# KiCad board d-lev-io.kicad_pcb
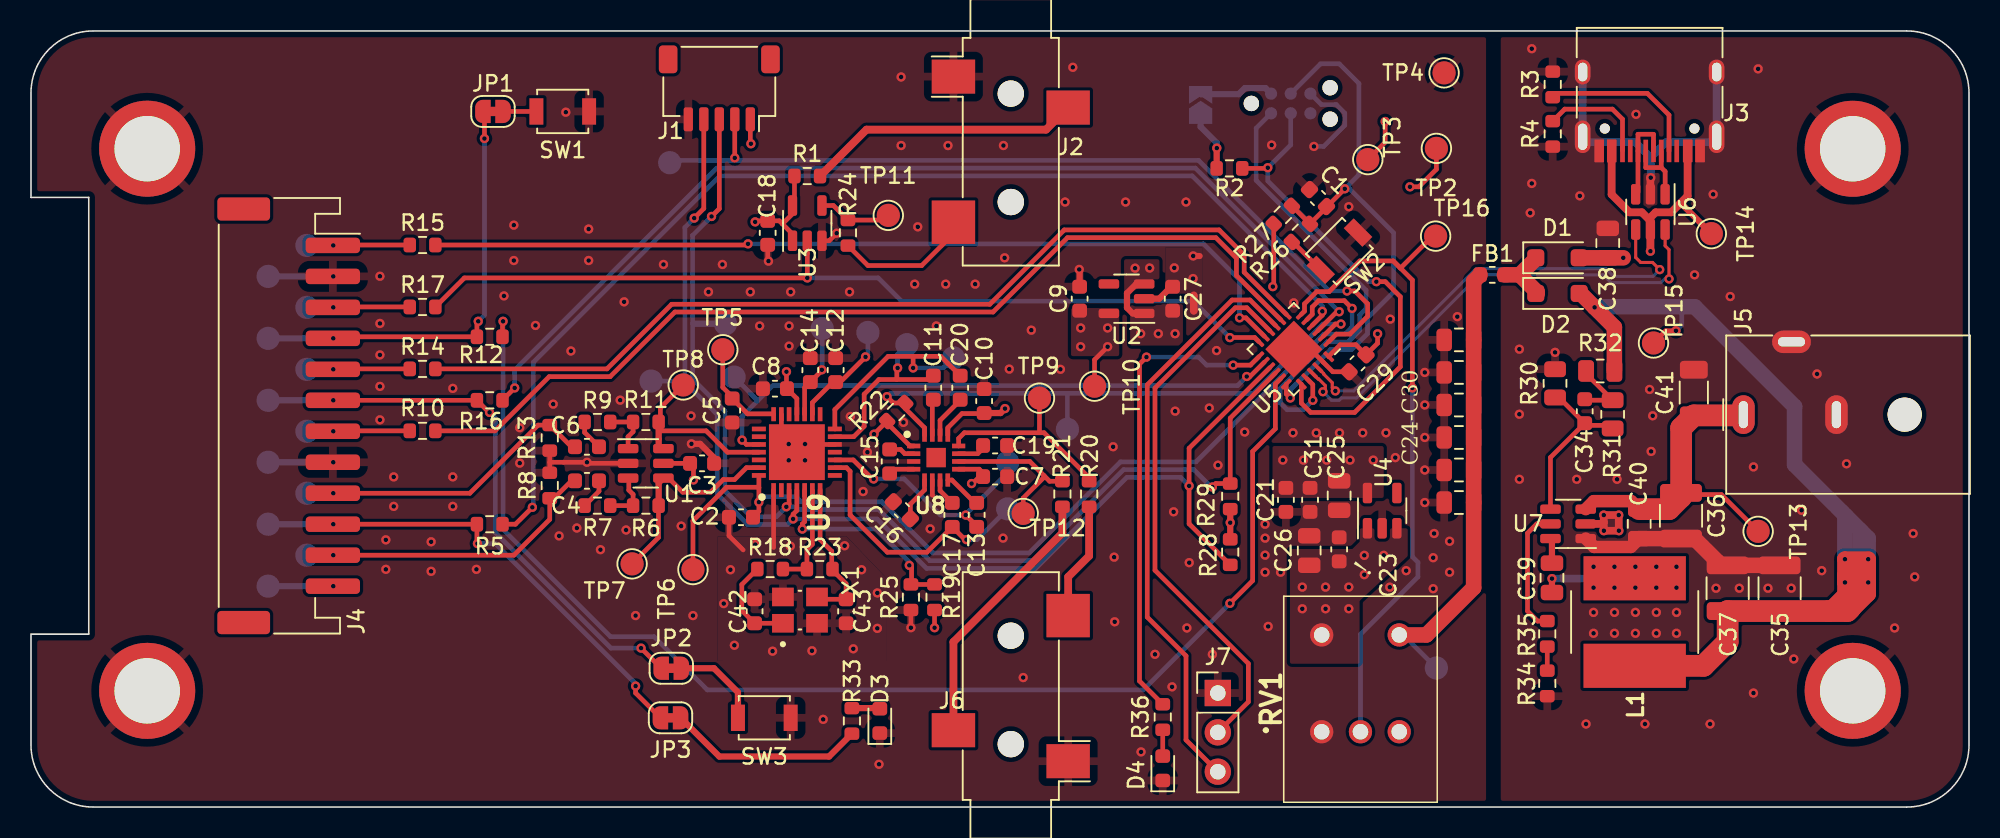
[diagram p0: board, top side]
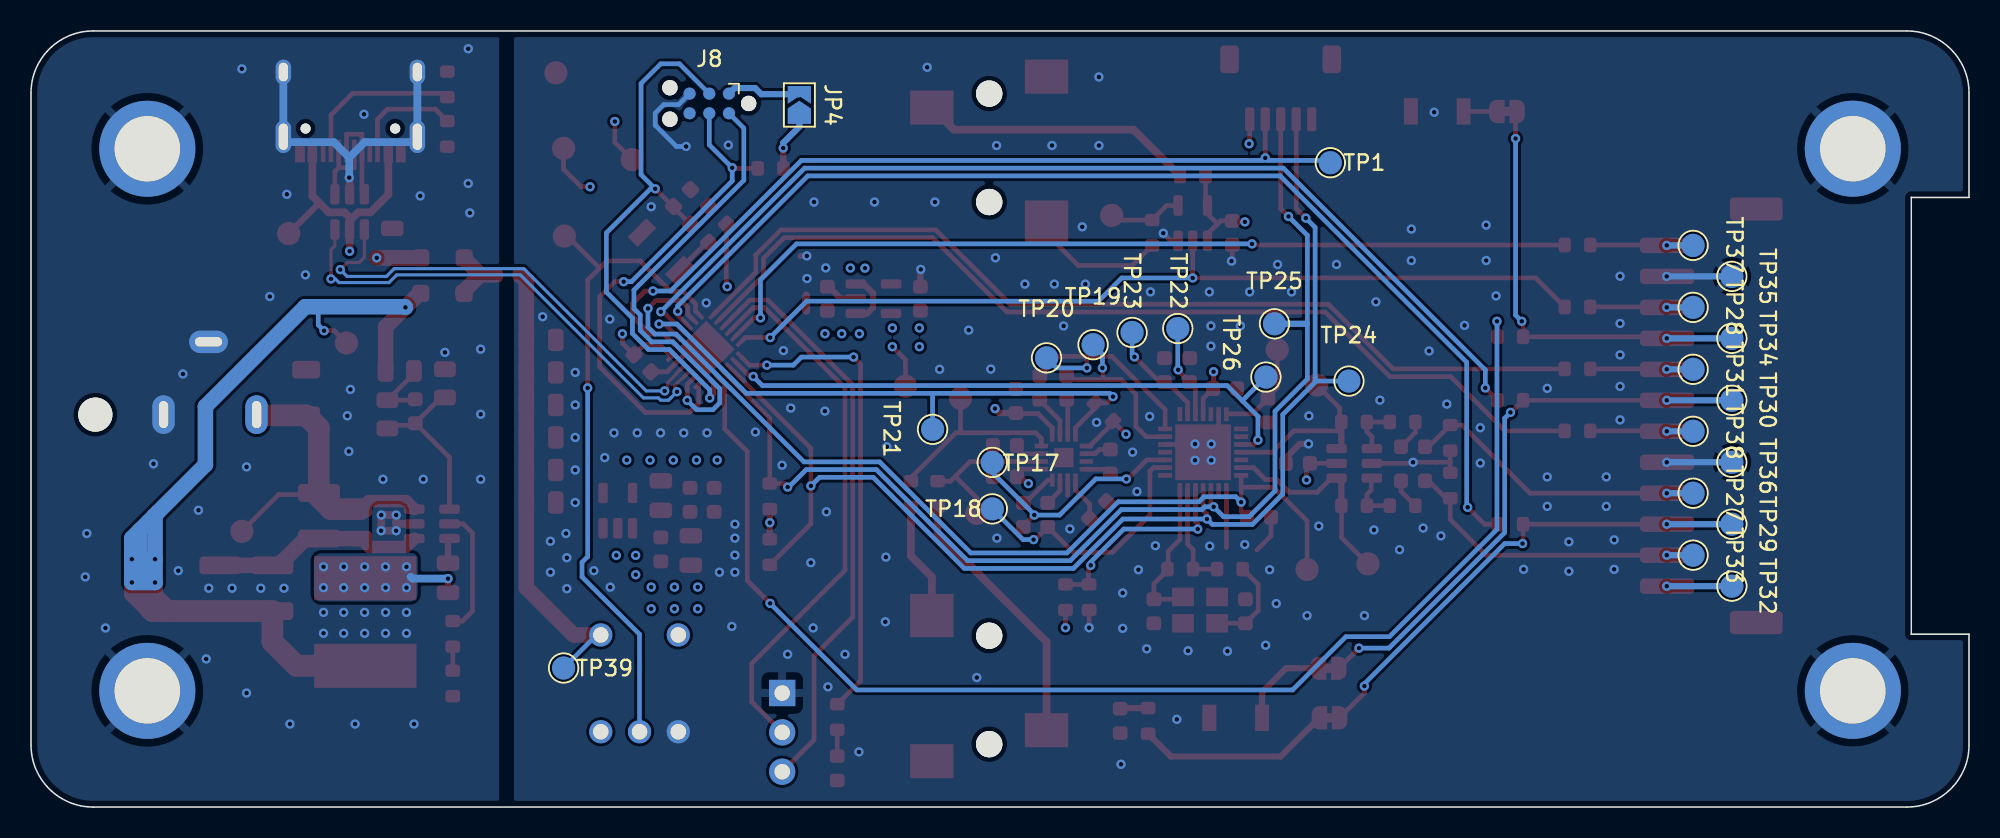
[diagram p1: board, bottom side, seen from below]

Outline 124.99 x 50.1 mm; copper layers: Top, In1.Cu, In2.Cu, Bottom. Coordinates in mm from the lower left corner of the outline.
Outline path: 0,11.16 0,4 arc(1.17,1.17) 4,0 120.99,0 arc(123.82,1.17) 124.99,4 124.99,46.1 arc(123.82,48.93) 120.99,50.1 4,50.1 arc(1.17,48.93) 0,46.1 0,39.36 3.72,39.36 3.72,11.16 0,11.16
Stack: Top 0.035mm / dielectric 0.2mm FR4 er 4.5 / In1.Cu 0.0175mm / dielectric 1.075mm FR4 er 4.5 / In2.Cu 0.0175mm / dielectric 0.2mm FR4 er 4.5 / Bottom 0.035mm

## Placement (name value [footprint] x y rotation side)
C1  100n  [C_0603_1608Metric]  83.01 39.32 315 top
C2  1u  [C_0603_1608Metric]  45.79 18.71 0 top
C3  100n  [C_0603_1608Metric]  43.28 22.19 180 top
C4  4.7n  [C_0603_1608Metric]  35.86 21.06 180 top
C5  4.7u  [C_0603_1608Metric]  45.22 25.6 270 top
C6  4.7n  [C_0603_1608Metric]  35.86 23.26 180 top
C7  1u  [C_0603_1608Metric]  62.18 21.33 0 top
C8  1u  [C_0603_1608Metric]  47.98 27.01 0 top
C9  1u  [C_0603_1608Metric]  67.63 32.82 270 top
C10  1u  [C_0603_1608Metric]  61.47 26.21 90 top
C11  470n  [C_0603_1608Metric]  58.2 27.07 270 top
C12  1u  [C_0603_1608Metric]  51.9 28.21 270 top
C13  470n  [C_0603_1608Metric]  60.99 18.86 90 top
C14  1u  [C_0603_1608Metric]  50.26 28.21 270 top
C15  1u  [C_0603_1608Metric]  55.38 22.31 270 top
C16  1u  [C_0603_1608Metric]  56.17 19.16 315 top
C17  470n  [C_0603_1608Metric]  59.42 18.86 90 top
C18  100n  [C_0603_1608Metric]  47.51 37.07 90 top
C19  100n  [C_0603_1608Metric]  62.18 23.34 0 top
C20  470n  [C_0603_1608Metric]  59.93 27.07 270 top
C21  100n  [C_0603_1608Metric]  80.94 19.83 90 top
C22  10u  [C_0805_2012Metric]  92.1 25.96 0 top
C23  1u  [C_0603_1608Metric]  84.37 16.63 270 top
C24  10u  [C_0805_2012Metric]  92.1 19.66 0 top
C25  10u  [C_0805_2012Metric]  84.37 20.11 90 top
C26  10u  [C_0805_2012Metric]  82.44 16.56 270 top
C27  1u  [C_0603_1608Metric]  73.63 32.82 270 top
C28  10u  [C_0805_2012Metric]  92.1 21.76 0 top
C29  4.7u  [C_0603_1608Metric]  85.56 28.65 45 top
C30  10u  [C_0805_2012Metric]  92.1 30.16 0 top
C31  1u  [C_0603_1608Metric]  82.5 19.83 90 top
C32  10u  [C_0805_2012Metric]  92.1 23.86 0 top
C33  10u  [C_0805_2012Metric]  92.1 28.06 0 top
C34  75p  [C_0603_1608Metric]  100.21 25.55 270 top
C35  22u  [C_1210_3225Metric]  112.78 14.13 90 top
C36  10u  [C_1210_3225Metric]  106.42 18.81 270 top
C37  22u  [C_1210_3225Metric]  109.43 14.13 90 top
C38  100n  [C_0805_2012Metric]  101.7 36.41 270 top
C39  100n  [C_0805_2012Metric]  98.1 14.8 270 top
C40  100n  [C_0805_2012Metric]  103.73 18.28 270 top
C41  47u  [C_1206_3216Metric]  107.25 26.76 90 top
C42  33p  [C_0603_1608Metric]  46.67 12.64 90 top
C43  33p  [C_0603_1608Metric]  52.57 12.64 270 top
D1  SS34FA  [D_SOD-123F]  98.45 35.46 0 top
D2  SS34FA  [D_SOD-123F]  98.45 33.16 0 top
D3  LED  [LED_0603_1608Metric]  54.75 5.56 90 top
D4  LED  [LED_0603_1608Metric]  72.99 2.5 90 top
FB1  BLM18KG121TN1D  [L_0603_1608Metric]  94.25 34.36 180 top
H1  SMTSO-M3-2ET  [SMTSO-M3]  7.49 42.5 0 top
H2  SMTSO-M3-2ET  [SMTSO-M3]  117.49 42.5 0 top
H3  SMTSO-M3-2ET  [SMTSO-M3]  7.49 7.5 0 top
H4  SMTSO-M3-2ET  [SMTSO-M3]  117.49 7.5 0 top
J1  CV_HDR  [JST_SH_SM05B-SRSS-TB_1x05-1MP_P1.00mm_Horizontal]  44.39 46.4 180 top
J2  JACK_TRS  [Jack_3.5mm_CUI_SJ-3523-SMT_Horizontal]  63.19 43.56 0 top
J3  USB_C_Receptacle_USB2.0  [USB_C_Receptacle_HRO_TYPE-C-31-M-12]  104.4 46.4 180 top
J4  S12B-PH-SM4-TB  [JST_PH_S12B-PH-SM4-TB_1x12-1MP_P2.00mm_Horizontal]  16.62 25.26 270 top
J5  PJ-059A  [BarrelJack_CUI_PJ-059A]  110.45 25.33 90 top
J6  JACK_TRS  [Jack_3.5mm_CUI_SJ-3523-SMT_Horizontal]  63.19 6.56 180 top
J7  TOUCH_HDR  [PinHeader_1x03_P2.54mm_Vertical]  76.55 7.36 0 top
J8  PROG_HDR  [Tag-Connect_TC2030-IDC-NL_2x03_P1.27mm_Vertical]  81.25 45.42 0 bottom
JP1  ACAL_JUMPER  [SolderJumper-2_P1.3mm_Bridged_RoundedPad1.0x1.5mm]  29.8 44.91 0 top
JP2  MUTE_JUMPER  [SolderJumper-2_P1.3mm_Bridged_RoundedPad1.0x1.5mm]  41.3 8.96 0 top
JP3  MUTE_LED_JUMPER  [SolderJumper-2_P1.3mm_Bridged_RoundedPad1.0x1.5mm]  41.25 5.76 0 top
JP4  PROG_VIN  [SolderJumper-2_P1.3mm_Open_TrianglePad1.0x1.5mm]  75.44 45.33 90 bottom
L1  15u  [L_Bourns_SRN8040TA]  103.43 11.94 270 top
NT1  NetTie_2  [NetTie-2_SMD_Pad0.5mm]  75 32.53 270 top
R1  220  [R_0603_1608Metric]  50.06 40.74 0 top
R2  1k  [R_0603_1608Metric]  77.3 41.23 0 top
R3  5.1k  [R_0603_1608Metric]  98.15 46.65 270 top
R4  5.1k  [R_0603_1608Metric]  98.15 43.46 90 top
R5  0  [R_0603_1608Metric]  29.59 18.26 180 top
R6  100k  [R_0603_1608Metric]  39.66 19.46 0 top
R7  220  [R_0603_1608Metric]  36.53 19.46 180 top
R8  75  [R_0603_1608Metric]  33.46 20.76 90 top
R9  220  [R_0603_1608Metric]  36.53 24.86 180 top
R10  100  [R_0603_1608Metric]  25.25 24.29 0 top
R11  100k  [R_0603_1608Metric]  39.66 24.86 0 top
R12  0  [R_0603_1608Metric]  29.59 30.36 180 top
R13  75  [R_0603_1608Metric]  33.46 23.83 270 top
R14  100  [R_0603_1608Metric]  25.25 28.29 0 top
R15  0  [R_0603_1608Metric]  25.25 36.29 0 top
R16  0  [R_0603_1608Metric]  29.59 26.26 180 top
R17  100  [R_0603_1608Metric]  25.25 32.29 0 top
R18  20  [R_0603_1608Metric]  47.67 15.36 0 top
R19  56k  [R_0603_1608Metric]  58.28 13.55 90 top
R20  27  [R_0603_1608Metric]  68.25 20.21 90 top
R21  27  [R_0603_1608Metric]  66.52 20.21 90 top
R22  100k  [R_0603_1608Metric]  55.8 25.5 225 top
R23  499k  [R_0603_1608Metric]  50.87 15.36 180 top
R24  220  [R_0603_1608Metric]  52.69 37.07 270 top
R25  0  [R_0603_1608Metric]  56.75 13.55 90 top
R26  330  [R_0603_1608Metric]  81.9 37.07 225 top
R27  10k  [R_0603_1608Metric]  80.74 38.23 45 top
R28  2.2k  [R_0603_1608Metric]  77.35 16.46 90 top
R29  2.2k  [R_0603_1608Metric]  77.35 20.06 270 top
R30  13.3k  [R_0805_2012Metric]  98.3 27.35 90 top
R31  100k  [R_0805_2012Metric]  102.01 25.35 270 top
R32  49.9  [R_0805_2012Metric]  101.21 28.15 180 top
R33  1k  [R_0603_1608Metric]  52.95 5.56 270 top
R34  105k  [R_0603_1608Metric]  97.79 7.98 270 top
R35  511k  [R_0603_1608Metric]  97.79 11.18 270 top
R36  1k  [R_0603_1608Metric]  72.99 5.81 90 top
RV1  -  [RK09711110EL]  83.25 4.86 270 top
SW1  SW_Push  [SW_SPST_B3U-1000P]  34.3 44.91 180 top
SW2  SW_Push  [SW_SPST_B3U-1000P]  84.39 35.89 225 top
SW3  SW_Push  [SW_SPST_B3U-1000P]  47.3 5.76 180 top
TP1  TestPoint  [TestPoint_Pad_D1.5mm]  41.19 41.6 180 bottom
TP2  TestPoint  [TestPoint_Pad_D1.5mm]  90.64 42.52 180 top
TP3  TestPoint  [TestPoint_Pad_D1.5mm]  86.22 41.8 270 top
TP4  TestPoint  [TestPoint_Pad_D1.5mm]  91.14 47.4 180 top
TP5  TestPoint  [TestPoint_Pad_D1.5mm]  44.62 29.52 0 top
TP6  TestPoint  [TestPoint_Pad_D1.5mm]  42.69 15.33 90 top
TP7  TestPoint  [TestPoint_Pad_D1.5mm]  38.77 15.7 0 top
TP8  TestPoint  [TestPoint_Pad_D1.5mm]  42.07 27.25 0 top
TP9  TestPoint  [TestPoint_Pad_D1.5mm]  65.04 26.4 0 top
TP10  TestPoint  [TestPoint_Pad_D1.5mm]  68.6 27.17 90 top
TP11  TestPoint  [TestPoint_Pad_D1.5mm]  55.29 38.2 0 top
TP12  TestPoint  [TestPoint_Pad_D1.5mm]  63.99 18.96 0 top
TP13  TestPoint  [TestPoint_Pad_D1.5mm]  111.39 17.8 270 top
TP14  TestPoint  [TestPoint_Pad_D1.5mm]  108.38 37.02 90 top
TP15  TestPoint  [TestPoint_Pad_D1.5mm]  104.65 29.96 90 top
TP16  TestPoint  [TestPoint_Pad_D1.5mm]  90.59 36.86 0 top
TP17  TestPoint  [TestPoint_Pad_D1.5mm]  62.99 22.25 180 bottom
TP18  TestPoint  [TestPoint_Pad_D1.5mm]  62.99 19.25 180 bottom
TP19  TestPoint  [TestPoint_Pad_D1.5mm]  56.49 29.85 180 bottom
TP20  TestPoint  [TestPoint_Pad_D1.5mm]  59.49 29 180 bottom
TP21  TestPoint  [TestPoint_Pad_D1.5mm]  66.85 24.38 270 bottom
TP22  TestPoint  [TestPoint_Pad_D1.5mm]  51.03 30.89 90 bottom
TP23  TestPoint  [TestPoint_Pad_D1.5mm]  53.98 30.64 90 bottom
TP24  TestPoint  [TestPoint_Pad_D1.5mm]  39.99 27.5 180 bottom
TP25  TestPoint  [TestPoint_Pad_D1.5mm]  44.79 31.2 180 bottom
TP26  TestPoint  [TestPoint_Pad_D1.5mm]  45.35 27.76 270 bottom
TP27  TestPoint  [TestPoint_Pad_D1.5mm]  17.8 20.26 270 bottom
TP28  TestPoint  [TestPoint_Pad_D1.5mm]  17.8 32.26 270 bottom
TP29  TestPoint  [TestPoint_Pad_D1.5mm]  15.3 18.26 270 bottom
TP30  TestPoint  [TestPoint_Pad_D1.5mm]  15.3 26.26 270 bottom
TP31  TestPoint  [TestPoint_Pad_D1.5mm]  17.8 28.26 270 bottom
TP32  TestPoint  [TestPoint_Pad_D1.5mm]  15.3 14.26 270 bottom
TP33  TestPoint  [TestPoint_Pad_D1.5mm]  17.8 16.26 270 bottom
TP34  TestPoint  [TestPoint_Pad_D1.5mm]  15.3 30.26 270 bottom
TP35  TestPoint  [TestPoint_Pad_D1.5mm]  15.3 34.26 270 bottom
TP36  TestPoint  [TestPoint_Pad_D1.5mm]  15.3 22.26 270 bottom
TP37  TestPoint  [TestPoint_Pad_D1.5mm]  17.8 36.26 270 bottom
TP38  TestPoint  [TestPoint_Pad_D1.5mm]  17.8 24.26 270 bottom
TP39  TestPoint  [TestPoint_Pad_D1.5mm]  90.64 8.97 180 bottom
U1  74LVC2GU04  [SOT-23-6]  39.65 22.19 0 top
U2  ADP151-3.3  [SOT-23-5]  70.66 32.82 180 top
U3  74AHC1G126  [SOT-23-5]  50.06 37.7 90 top
U4  AP2112K-3.3  [SOT-23-5]  87.15 19.13 90 top
U5  ATSAMD11D14A-M  [QFN-24-1EP_4x4mm_P0.5mm_EP2.6x2.6mm]  81.45 29.56 225 top
U6  USBLC6-2SC6  [SOT-23-6]  104.45 38.42 270 top
U7  TPS54202DDC  [SOT-23-6]  99.14 18.28 180 top
U8  MAX97220C/MAX97220D  [QFN50P300X300X80-17N]  58.38 22.56 0 top
U9  ES9010K2M  [QFN50P500X500X90-29N-D]  49.4 22.91 90 top
X1  7M-50.000MAAJ-T  [XTAL_7M-50.000MAAJ-T]  49.6 12.71 90 top

## Library data of the parts
C1 C3 C18 C19 C21 = -: Description: Unpolarized capacitor, small symbol; MPN: GRM188R71E104KA01D; Notes: Common; Supplier: Digi-Key; Supplier URL: https://www.digikey.com/en/products/detail/murata-electronics/GRM188R71E104KA01D/587154
C2 C4 C6-C14 C17 C20 C23 C27 C31 C34 = -: Description: Unpolarized capacitor, small symbol
C5 C29 = -: Description: Unpolarized capacitor, small symbol; MPN: CL10B475KQ8NQNC; Notes: Common; Supplier: Digi-Key; Supplier Alt: Mouser; Supplier Alt URL: https://www.mouser.com/ProductDetail/187-CL10B475KQ8NQNC; Supplier URL: https://www.digikey.com/en/products/detail/samsung-electro-mechanics/CL10B475KQ8NQNC/3887745?s=N4IgTCBcDaIMIBkCMAGAQgFgOwFYDSAigBwByBJcABCALoC%2BQA
C15 C16 = -: Description: Unpolarized capacitor, small symbol; Notes: X7R
C22 C24-C26 C28 C30 C32 C33 = -: Description: Unpolarized capacitor, small symbol; MPN: CL21A106KAYNNNG; Supplier: Mouser; Supplier Alt URL: https://www.mouser.com/ProductDetail/187-CL21A106KAYNNNG; Supplier URL: https://www.mouser.com/ProductDetail/187-CL21A106KAYNNNG
C35 C37 = -: Description: Unpolarized capacitor, small symbol; Notes: 25V X7R 80ma; Supplier: Mouser; Supplier URL: https://www.mouser.com/ProductDetail/187-CL32B226KAJNNNE
C36 = -: Description: Unpolarized capacitor, small symbol; Notes: 30V 2A X5R; Supplier: Mouser; Supplier URL: https://www.mouser.com/ProductDetail/187-CL32B106KAJNFNE
C38-C40 = -: Description: Unpolarized capacitor, small symbol; Supplier: Mouser; Supplier URL: https://www.mouser.com/ProductDetail/581-08053C104MAT4A
C41 = -: Description: Polarized capacitor; Supplier: Mouser; Supplier URL: https://www.mouser.com/ProductDetail/810-C3216X5R1E476M
C42 C43 = -: Description: Unpolarized capacitor, small symbol; Supplier: Mouser; Supplier URL: https://www.mouser.com/ProductDetail/603-CC603FRNPO0BN330; Tolerance: 1%
D1 D2 = -: Description: Schottky diode; Supplier: Mouser; Supplier URL: https://www.mouser.com/ProductDetail/512-SS34FA
D3 = -: Description: Light emitting diode; MPN: 150060GS75000; Supplier: Mouser; Supplier URL: https://www.mouser.com/ProductDetail/710-150060GS75000
D4 = -: Description: Light emitting diode, small symbol; MPN: 150060GS75000; Supplier: Mouser; Supplier URL: https://www.mouser.com/ProductDetail/710-150060GS75000
FB1 = -: Description: Ferrite bead, small symbol; Supplier: Mouser; Supplier URL: https://www.mouser.com/ProductDetail/81-BLM18KG121TN1D
H1-H4 = -: Description: Mounting Hole with connection; Supplier: Mouser; Supplier Alt: Aliexpress; Supplier Alt URL: https://www.aliexpress.us/item/3256803593796853.html; Supplier URL: https://www.mouser.com/ProductDetail/153-SMTSO-M3-2ET
J1 = -: Description: Generic connector, single row, 01x05, script generated (kicad-library-utils/schlib/autogen/connector/); MPN: SH-SM05B-SRSS-TB; Supplier: Digi-Key; Supplier Alt: Amazon; Supplier Alt URL: https://www.amazon.com/Solderless-Terminals-Connector-Header-Position/dp/B00HPM11O0/; Supplier URL: https://www.digikey.com/en/products/detail/jst-sales-america-inc/SM05B-SRSS-TB-LF-SN/926876
J2 J6 = -: Description: Audio Jack, 3 Poles (Stereo / TRS); MPN: SJ-3523-SMT-TR; Supplier: Mouser; Supplier Alt: Aliexpress; Supplier Alt URL: https://www.aliexpress.us/item/3256801631252219.html; Supplier URL: https://www.mouser.com/ProductDetail/490-SJ-3523-SMT-TR
J3 = -: Description: USB 2.0-only Type-C Receptacle connector; Supplier Alt: Aliexpress; Supplier Alt URL: https://www.aliexpress.us/item/3256803098838075.html
J4 = -: Description: Generic connectable mounting pin connector, single row, 01x12, script generated (kicad-library-utils/schlib/autogen/connector/); Supplier: Digi-Key; Supplier Alt: Aliexpress; Supplier Alt URL: https://www.aliexpress.us/item/3256805244385531.html; Supplier URL: https://www.digikey.com/en/products/detail/jst-sales-america-inc/S12B-PH-SM4-TB-LF-SN/926664
J5 = -: Description: DC Barrel Jack with an internal switch; Supplier: Mouser; Supplier URL: https://www.mouser.com/ProductDetail/490-PJ-059A
J7 = -: Description: Generic connector, single row, 01x03, script generated (kicad-library-utils/schlib/autogen/connector/); DNP: Y
J8 = -: Description: Generic connector, double row, 02x03, odd/even pin numbering scheme (row 1 odd numbers, row 2 even numbers), script generated (kicad-library-utils/schlib/autogen/connector/); DNP: Y
JP1-JP4 = -: Description: Jumper, 2-pole, closed/bridged; DNP: Y
L1 = -: Description: Inductor; MPN: SRN8040TA-150M; Supplier: Mouser; Supplier URL: https://www.mouser.com/ProductDetail/652-SRN8040TA-150M
NT1 = -: Description: Net tie, 2 pins; DNP: Y
R1-R5 R10 R12 R14-R17 R19 R22 R24-R29 R33 R36 = -: Description: Resistor, small symbol
R6-R9 R11 R13 R20 R21 R31 = -: Description: Resistor, small symbol; Tolerance: 1%
R18 = -: Description: Resistor, small symbol; MPN: CR0603FX-20R0ELF; Supplier: Mouser; Supplier URL: https://www.mouser.com/ProductDetail/652-CR0603FX-20R0ELF; Tolerance: 1%
R23 = -: Description: Resistor, small symbol; MPN: CR0603FX-4993ELF; Supplier: Mouser; Supplier URL: https://www.mouser.com/ProductDetail/652-CR0603FX-4993ELF; Tolerance: 1%
R30 = -: Description: Resistor, small symbol; MPN: CRCW080513K3FKEA; Supplier: Mouser; Supplier URL: https://www.mouser.com/ProductDetail/71-CRCW0805-13.3K-E3; Tolerance: 1%
R32 = -: Description: Resistor, small symbol; MPN: CR0805FX-4992ELF; Supplier: Mouser; Supplier URL: https://www.mouser.com/ProductDetail/652-CR0805FX-4992ELF; Tolerance: 1%
R34 = -: Description: Resistor, small symbol; MPN: CR0603-FX1053ELF; Supplier: Mouser; Supplier URL: https://www.mouser.com/ProductDetail/652-CR0603-FX1053ELF; Tolerance: 1%
R35 = -: Description: Resistor, small symbol; MPN: CR0603FX-5113ELF; Supplier: Mouser; Supplier URL: https://www.mouser.com/ProductDetail/652-CR0603FX-5113ELF; Tolerance: 1%
RV1 = -: Description: Potentiometers Flat 20mm 10k; Supplier: Mouser; Supplier Alt: Aliexpress; Supplier Alt URL: https://www.aliexpress.us/item/3256804375206061.html; Supplier URL: https://www.mouser.com/ProductDetail/688-RK09711110EL
SW1-SW3 = -: Description: Push button switch, generic, two pins; MPN: B3U-1000P; Supplier: Mouser; Supplier Alt: Amazon; Supplier Alt URL: https://www.amazon.com/Liyafy-Switch-3x4x2mm-Momentary-Tactile/dp/B07TB62N4T/; Supplier URL: https://www.mouser.com/ProductDetail/653-B3U-1000P
TP1-TP39 = -: Description: test point; DNP: Y
U1 = -: Description: 74LVC2G04, Dual NOT Gate, Low-Voltage CMOS; MPN: 74LVC2GU04DBVRG4; Supplier: Mouser; Supplier URL: https://www.mouser.com/ProductDetail/595-74LVC2GU04DBVRG4
U2 = -: Description: 200mA, Low Noise, CMOS Low Dropout Regulator, Positive, 3.3V Fixed Output, TSOT-23-5; MPN: ADP151AUJZ-3.3-R7; Supplier: Mouser; Supplier URL: https://www.mouser.com/ProductDetail/584-ADP151AUJZ-3.3R7
U3 = -: Description: Single Buffer Gate Tri-State, Low-Voltage CMOS; MPN: SN74AHC1G126DBVR; Supplier: Mouser; Supplier URL: https://www.mouser.com/ProductDetail/595-SN74AHC1G126DBVR
U4 = -: Description: 600mA low dropout linear regulator, with enable pin, 3.8V-6V input voltage range, 3.3V fixed positive output, SOT-23-5; MPN: AP2112K-3.3TRG1; Supplier: Mouser; Supplier URL: https://www.mouser.com/ProductDetail/621-AP2112K-3.3TRG1
U5 = -: Description: ARM Cortex-M0+ MCU, 48MHz, 16KB Flash, 4KB RAM, 1.6-3.6V, 22 GPIO, QFN-24; MPN: ATSAMD11D14A-MUT; Supplier: Mouser; Supplier URL: https://www.mouser.com/ProductDetail/556-ATSAMD11D14A-MUT
U6 = -: Description: Very low capacitance ESD protection diode, 2 data-line, SOT-23-6; Supplier: Mouser; Supplier URL: https://www.mouser.com/ProductDetail/511-USBLC6-2SC6
U7 = -: Description: 2A, 4.5 to 28V Input, EMI Friendly integrated switch synchronous step-down regulator, pulse-skipping, SOT-23-6; MPN: TPS54202DDCR; Supplier: Mouser; Supplier URL: https://www.mouser.com/ProductDetail/595-TPS54202DDCR
U8 = -: Description: MAXIM INTEGRATED PRODUCTS - MAX97220AETE+T - Differential Input DirectDrive Line Driver /Headphone Amplifier IC, 2.5 V to 5.5 V, TQFN-16; MPN: MAX97220DETE+T; Notes: C/D version; Supplier: Mouser; Supplier URL: https://www.mouser.com/ProductDetail/700-MAX97220DETE%2bT
U9 = -: Supplier: Mouser; Supplier URL: https://www.mouser.com/ProductDetail/460-ES9010K2M
X1 = -: Supplier: Mouser; Supplier URL: https://www.mouser.com/ProductDetail/717-7M-50.000MAAJ-T
